# KiCad board brownbox.kicad_pcb (continued)
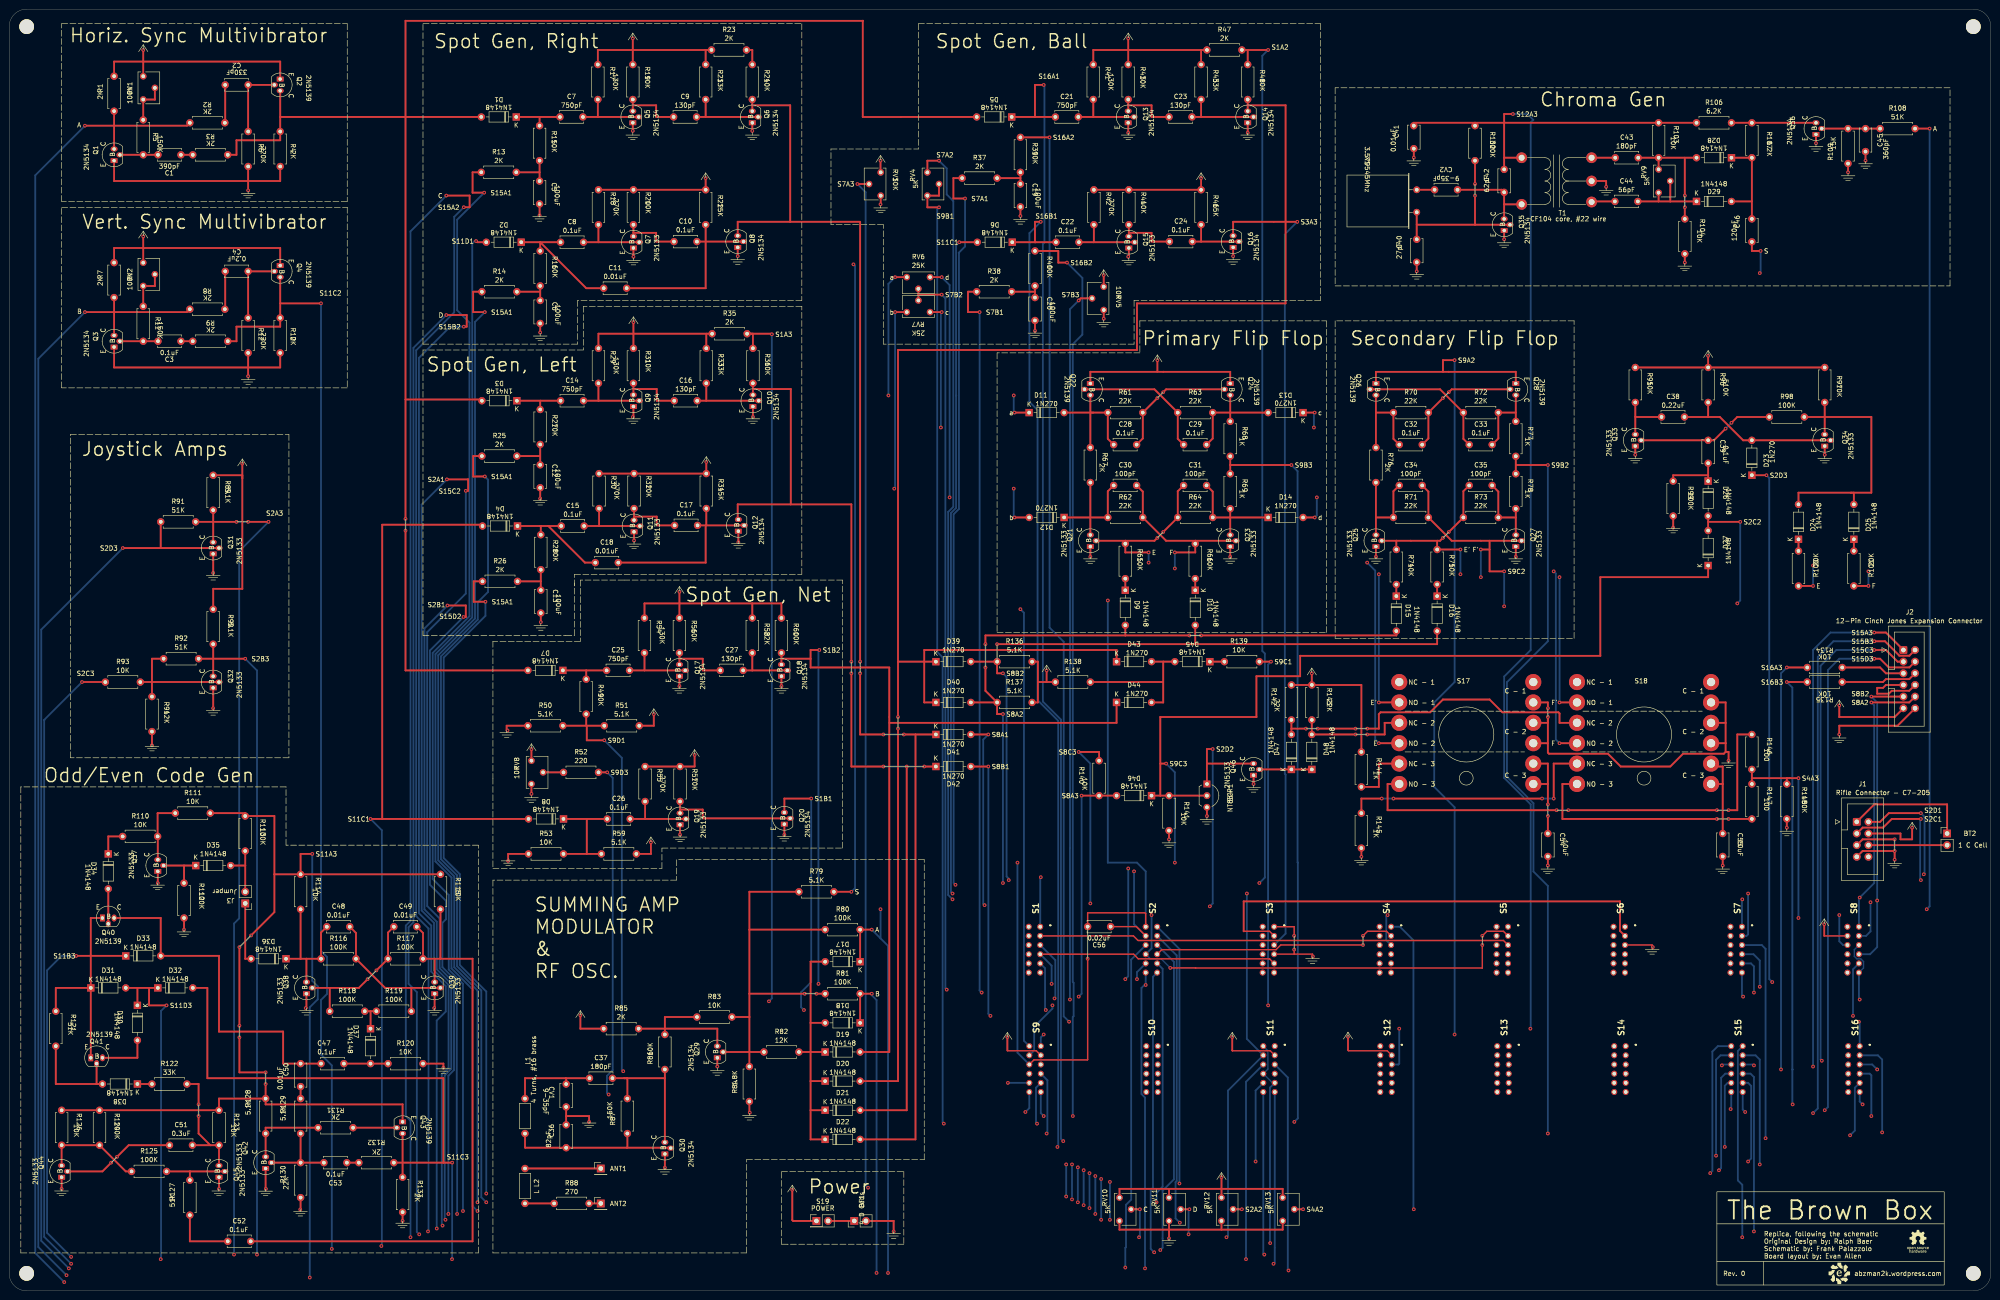
[diagram p0: board, top side]
## Routing (per net, layer and track width the routed paths; a pad name or vN(x,y) marks a point on that pad's centre or on a via; arc(x,y) is an arc through that point) (continued)
S2A2: length 76.6
  Top w0.4: 266.7,17.78 v1(268.61,17.78)
  In2.Cu w0.4: v1(255,23.4) 255.93,22.47 265.21,22.47 268.61,19.08 v1(268.61,17.78)
  Bottom w0.4: S2.A2 255,74.52 v1(255,23.4)
S2A3: length 457.9
  Top w0.4: R91.2 44.45,167.64 ; 44.45,167.64 R89.2 ; 44.45,167.64 Q31.3 ; 44.45,167.64 v1(49.53,167.64) ; v1(52.07,167.64) v1(56.52,167.64)
  In2.Cu w0.4: v1(250.82,8.89) 250.51,9.2 249.17,9.2 249.07,9.1 99.5,9.1 99.5,9.1 98.15,9.1 95.2,9.1 94.2,8.1 55,8.1 54.4,8.7 53.3,8.7 52.5,7.9 v1(49,7.9)
  Bottom w0.4: v1(56.52,167.64) 50.12,161.24 50.12,81.19 49,80.07 v1(49,7.9) ; v1(49.53,167.64) v1(52.07,167.64) ; v1(250.82,8.89) 251.33,9.4 251.33,21.84 253.8,24.31 253.8,71.72 S2.A3
S2B3: length 406.1
  Top w0.4: 44.45,137.79 R90.2 ; 44.45,137.79 v1(51.44,137.79) ; 44.45,137.79 Q32.3 ; 44.45,137.79 R92.2
  In2.Cu w0.4: v1(54,7.9) 54.4,7.5 94.7,7.5 95.7,8.5 98.88,8.5 242.5,8.4 249.5,8.4 v1(249.5,8.4)
  Bottom w0.4: v1(54,7.9) 54,135.23 v1(51.44,137.79) ; v1(249.5,8.4) 249.48,8.4 248.74,9.14 248.74,21.98 249.23,22.47 249.23,68.46 S2.B3
S2C1: length 225.7
  Top w0.3: S2.C1 245.62,79.4 C56.2
  Top w0.4: v1(416.56,102.87) 410.21,102.87 408.32,100.98 403.88,100.98 J1.C
  In2.Cu w0.4: v1(416.56,89.53) 416.4,89.7 377.36,89.7 376.06,88.41 274.81,88.41 271.78,91.44 v1(245.11,91.44)
  Bottom w0.4: v1(245.11,91.44) 245.11,79.91 S2.C1 ; v1(416.56,102.87) 416.4,102.7 416.4,89.7 v1(416.56,89.53)
S2C2: length 589.2
  Top w0.3: S2.C2 247.65,82.25 247.5,82.4 235,82.4 C56.1 ; S9.C3 223.29,50.34 234.94,50.34 235,50.4 v1(235,72.4)
  Top w0.4: 250.82,107.95 250.82,114.93 ; 250.82,107.95 D46.1 ; 250.82,107.95 R141.1 SCR1.2 ; 250.82,114.93 v1(252.1,114.93) ; 250.82,114.93 250.82,125.09 271.78,125.09 271.78,133.98 281.31,133.98 281.31,138.43 346.71,138.43 346.71,155.57 370.2,155.57 D27.1 ; 370.2,167.64 D27.2 ; 370.2,167.64 v1(377.19,167.64) ; 370.2,167.64 D26.2
  In2.Cu w0.4: v1(376.56,149.86) 376.39,150.02 239.87,150.02 v1(239.4,150.49) ; v1(254,93.34) v1(219.71,93.34)
  Bottom w0.3: C56.1 v1(235,72.4)
  Bottom w0.4: S9.C3 219.71,51.92 v1(219.71,93.34) ; v1(377.19,167.64) 377.19,150.49 v1(376.56,149.86) ; S2.C2 247.65,91.44 245.75,93.34 239.4,93.34 v1(239.4,150.49) ; v1(252.1,114.93) 254,113.03 v1(254,93.34)
S2C3: length 440
  Top w0.4: R93.1 v1(15.88,132.71)
  In2.Cu w0.4: v1(13.5,5.9) 13.9,5.5 239.82,5.5 240.24,5.08 v1(243.2,5.08)
  Bottom w0.4: v1(243.2,5.08) 243.2,9.38 243.36,9.52 243.36,18.75 244.48,19.88 244.48,72.2 S2.C3 ; v1(15.88,132.71) 7.62,124.46 7.66,124.42 7.62,124.39 7.62,11.78 v1(13.5,5.9)
S2D1: length 232.6
  Top w0.4: v1(416.56,104.14) 409.57,104.14 407.67,102.23 J1.B
  In2.Cu w0.4: v1(245.75,67.94) v1(243.2,67.94) ; v1(243.84,92.07) 244,92.24 271.83,92.24 275.06,89.01 375.4,89.01 377.19,90.8 v1(417.19,90.8)
  Bottom w0.4: v1(243.2,67.94) 243.84,68.58 v1(243.84,92.07) ; v1(416.56,104.14) 417.36,103.34 417.36,90.97 v1(417.19,90.8) ; v1(245.75,67.94) 245.75,69.47 S2.D1
S2D2: length 164.2
  Top w0.3: v1(321,77.4) 321.98,78.38 325.6,78.38 S5.A1 ; v1(253,70.4) 258.5,70.4 258.53,70.38 320.98,70.38 321,70.4 v1(321,75.4)
  Top w0.4: Q46.3 260.99,114.93 ; 260.99,114.93 SCR1.1 ; 260.99,114.93 260.99,118.11 v1(262.25,118.11)
  In2.Cu w0.4: v1(261.62,83.82) 261.34,83.54 250.55,83.54 v1(248.92,81.91)
  Bottom w0.3: v1(321,77.4) v1(321,75.4) ; v1(253,70.4) 251.03,72.38 248.65,72.38 S2.D2
  Bottom w0.4: v1(261.62,83.82) 262.25,84.45 v1(262.25,118.11) ; v1(248.92,81.91) 248.92,74.64 S2.D2
S2D3: length 744.7
  Top w0.4: D23.1 v1(382.91,177.8) ; Q31.2 33.02,161.92 ; 33.02,161.92 v1(24.77,161.92) ; 33.02,161.92 R91.1
  In2.Cu w0.4: v1(13,4.9) 239.4,4.9 240.01,4.28 246.88,4.28 v1(247.5,4.9) ; v1(384.18,67.31) 248.29,67.31 v1(247.65,66.67)
  Bottom w0.4: S2.D3 247.65,66.96 246.73,66.04 246.73,42.91 247.5,42.14 v1(247.5,4.9) ; v1(24.77,161.92) 6.98,144.14 6.98,10.91 v1(13,4.9) ; v1(382.91,177.8) 383.52,177.18 383.52,67.96 v1(384.18,67.31)
S3A3: length 559.8
  Top w0.4: v1(193.68,122.55) 193.68,45.72 D20.2 ; 269.88,258.44 R48.2 ; 269.88,258.44 278.13,258.44 278.13,233.04 ; 269.88,258.44 Q14.3 ; 199.39,137.16 199.39,139.7 241.3,139.7 D43.1 ; 199.39,137.16 193.68,137.16 ; 199.39,137.16 199.39,128.27 D40.1 ; 199.39,137.16 D39.1 ; 278.13,233.04 266.7,233.04 Q16.3 ; 278.13,233.04 278.13,215.26 245.75,215.26 245.75,205.1 193.68,205.1 193.68,137.16 ; 278.13,233.04 v1(280.67,233.04) ; 193.68,137.16 v1(193.68,125.09)
  Bottom w0.4: v1(193.68,125.09) v1(193.68,122.55) ; S3.A3 278.13,77.87 278.13,112.53 277.97,112.7 277.97,230.34 v1(280.67,233.04)
S4A2: length 90.6
  Top w0.4: RV13.2 v1(281.94,17.78)
  In2.Cu w0.4: v1(306.07,17.78) v1(281.94,17.78)
  Bottom w0.4: 306,17.9 306,76.4 303.03,79.37 S4.A2
S4A3: length 142.6
  Top w0.4: 387.99,111.76 379.73,111.76 ; 387.99,111.76 387.35,111.76 R148.1 ; 387.99,111.76 v1(389.89,111.76) ; 379.73,111.76 R146.2 ; 379.73,111.76 R147.1
  In2.Cu w0.4: v1(389.89,81.28) 389.25,81.91 v1(300.36,81.91)
  Bottom w0.4: S4.A3 300.07,76.42 300.07,81.63 v1(300.36,81.91) ; v1(389.89,111.76) v1(389.89,81.28)
S7A1: length 343.6
  Top w0.4: R37.1 205.74,242.57 205.74,238.12 v1(208.28,238.12)
  In2.Cu w0.4: v1(378.91,86.61) 271.6,86.61 270.33,87.88 206.83,87.88 v1(206.19,88.51)
  Bottom w0.4: v1(206.19,88.51) 205.8,88.91 205.8,169.3 206.96,170.46 206.96,226.2 206.92,226.24 206.96,226.27 206.92,226.31 208.28,227.67 v1(208.28,238.12) ; S7.A1 378.57,77.38 378.91,77.72 v1(378.91,86.61)
S7A2: length 347.4
  Top w0.4: v1(202.61,246.36) 200.07,246.36 RV4.1
  In2.Cu w0.4: v1(377.64,85.34) 269.83,85.34 268.49,86.68 224.44,86.68 223.1,85.34 v1(205.56,85.34)
  Bottom w0.4: v1(377.64,85.34) 377.57,85.27 S7.A2 ; v1(205.56,85.34) 204.6,86.3 204.6,169.79 205.72,170.92 205.72,237.58 204.29,239.01 204.29,244.69 v1(202.61,246.36)
S7A3: length 476.2
  Top w0.4: RV3.2 v1(184.83,241.28)
  In2.Cu w0.4: v1(382.72,33.27) 372.54,33.27 370.06,30.79 233.56,30.79 v1(230.32,27.56) ; v1(230.32,20.57) 228.6,18.84 197.56,18.84 194.51,21.9 187.72,21.9 v1(187.14,22.47)
  Bottom w0.4: S7.A3 381.89,75.38 382.72,74.54 v1(382.72,33.27) ; v1(187.14,22.47) 186.62,23 186.62,239.49 v1(184.83,241.28) ; v1(230.32,20.57) v1(230.32,27.56)
S7B1: length 334.7
  Top w0.4: v1(211.45,213.36) 208.92,213.36 208.92,217.8 R38.1
  In2.Cu w0.4: v1(380.18,65.02) 379.67,65.53 376.69,65.53 376.17,65.02 v1(211.91,65.02)
  Bottom w0.4: v1(211.45,213.36) 211.45,65.47 v1(211.91,65.02) ; v1(380.18,65.02) 380.18,70.73 379.54,71.38 S7.B1
S7B2: length 347.4
  Top w0.4: 198.12,217.17 v1(203.2,217.17) ; 198.12,217.17 RV7.2 ; 198.12,217.17 198.12,218.44
  In2.Cu w0.4: v1(381.45,66.29) 376.56,66.29 376.39,66.12 248.37,66.12 248.12,65.88 247.01,65.88 246.76,66.12 204.76,66.12 v1(204.29,65.65)
  Bottom w0.4: v1(204.29,65.65) 204,65.94 204,216.37 v1(203.2,217.17) ; S7.B2 380.08,73.38 381.45,72 v1(381.45,66.29)
S7B3: length 309.1
  Top w0.4: v1(233.05,215.9) 233.5,216.36 RV5.2
  In2.Cu w0.4: v1(377.82,64.13) 377.19,63.5 274.32,63.5 273.65,62.83 231.81,62.83 v1(231.14,63.5)
  Bottom w0.4: v1(233.05,215.9) 231.16,214.01 231.16,96.54 231.14,96.52 v1(231.14,63.5) ; v1(377.82,64.13) 377.57,64.39 S7.B3
S8A1: length 245.5
  Top w0.4: D41.2 v1(213.36,121.28)
  In2.Cu w0.4: v1(212.54,84.07) 213.21,84.74 213.25,84.7 213.28,84.74 223.35,84.74 224.69,86.08 268.24,86.08 269.58,84.74 375.7,84.74 375.9,84.54 405.42,84.54 v1(405.58,84.7)
  Bottom w0.4: S8.A1 404.6,77.38 405.58,78.35 v1(405.58,84.7) ; v1(212.54,84.07) 212.24,84.37 212.24,120.16 v1(213.36,121.28)
S8A2: length 403.7
  Top w0.4: 243.2,142.87 v1(257.18,142.87) ; 243.2,142.87 D9.2 ; 243.2,142.87 212.73,142.87 v1(212.73,140.97) ; v1(212.73,135.89) 212.73,130.81 R137.1 ; J2.K 414.02,128.27 v1(405.76,128.27) ; R137.1 215.26,125.73 v1(216.54,125.73) ; R137.1 D40.2 ; v1(259.72,142.87) 302.26,142.87 D15.2
  In2.Cu w0.4: v1(403.23,85.72) 381,85.72 379.1,87.63 378.46,87.63 378.04,87.21 271.85,87.21 270.58,88.48 216.95,88.48 v1(216.54,88.9)
  Bottom w0.4: v1(216.54,125.73) v1(216.54,88.9) ; v1(405.76,128.27) 406.38,127.65 406.38,88.88 v1(403.23,85.72) 403.06,85.56 S8.A2 ; v1(257.18,142.87) v1(259.72,142.87) ; v1(212.73,135.89) v1(212.73,140.97)
S8A3: length 236.9
  Top w0.4: D46.2 R140.2 v1(233.68,107.95)
  In2.Cu w0.4: v1(233.05,64.13) 376.56,64.13 377.36,64.94 378.3,64.94 379.73,63.5 v1(403.23,63.5)
  Bottom w0.3: S8.B3 404.06,70.38 404.06,71.79 403.47,72.38 402.61,72.38 402.06,72.92 402.06,74.38 S8.A3
  Bottom w0.4: S8.B3 403.06,63.67 v1(403.23,63.5) ; v1(233.05,64.13) 233.68,64.77 v1(233.68,107.95)
S8B1: length 258.3
  Top w0.4: D42.2 v1(213.36,114.3)
  In2.Cu w0.4: v1(213.81,59.94) v1(401.77,59.94)
  Bottom w0.4: v1(213.81,59.94) 213.36,60.39 v1(213.36,114.3) ; v1(401.77,59.94) 401.77,70.09 S8.B1
S8B2: length 420.1
  Top w0.4: J2.J v1(405.76,129.54) ; v1(216.54,134.62) 215.26,134.62 R136.1 D39.2 ; 258.44,140.97 D10.2 ; 258.44,140.97 311.15,140.97 D16.2 ; 258.44,140.97 v1(215.26,140.97)
  In2.Cu w0.4: v1(217.81,89.53) 218.26,89.08 270.82,89.08 272.09,87.81 377.01,87.81 377.63,88.43 379.56,88.43 381.47,86.52 405.6,86.52 v1(407.04,85.09)
  Bottom w0.4: S8.B2 405.48,73.38 407.04,74.93 v1(407.04,85.09) 407.04,128.27 v1(405.76,129.54) ; v1(216.54,134.62) 217.34,133.82 217.34,90.33 217.81,89.86 v1(217.81,89.53) ; R136.1 v1(215.26,140.97)
S8C3: length 212.9
  Top w0.4: R140.1 237.49,117.47 v1(233.05,117.47)
  In2.Cu w0.4: v1(398.78,81.91) 397.51,83.18 373.1,83.18 372.75,83.54 263.81,83.54 262.47,84.88 236.01,84.88 v1(235.59,84.45)
  Bottom w0.4: v1(235.59,84.45) 235.59,114.93 v1(233.05,117.47) ; S8.C3 399.61,75.38 398.78,76.2 v1(398.78,81.91)
S9A2: length 283.9
  Top w0.4: Q26.1 297.81,200.34 328.3,200.34 Q28.1 ; v1(314.96,202.88) 312.42,202.88 312.42,200.34
  In2.Cu w0.4: v1(314.96,55.88) 314.66,56.19 225.73,56.19 v1(225.43,55.88)
  Bottom w0.4: v1(314.96,202.88) 314.96,132.71 310.51,128.27 310.51,109.85 314.96,105.41 v1(314.96,55.88) ; v1(225.43,55.88) 224.79,55.25 S9.A2
S9B1: length 240.4
  Top w0.4: RV4.2 202.61,238.74 RV4.3 200.07,236.2 v1(202.61,236.2)
  In2.Cu w0.4: v1(223.97,36.44) v1(203.65,36.44)
  Bottom w0.4: S9.B1 223.74,44.29 223.74,36.68 v1(223.97,36.44) ; v1(202.61,236.2) 202.22,235.81 202.22,139.27 203.4,138.09 203.4,36.7 v1(203.65,36.44)
S9B2: length 286.9
  Top w0.4: R77.2 328.3,180.02 ; 328.3,180.02 R78.1 ; 328.3,180.02 v1(335.28,180.02)
  In2.Cu w0.4: v1(335.28,34.29) v1(226.06,34.29)
  Bottom w0.4: S9.B2 226.23,45.9 226.23,34.45 v1(226.06,34.29) ; v1(335.28,180.02) 335.28,141.6 326.36,132.68 326.36,112.08 332.14,106.29 332.14,91.4 335.28,88.26 v1(335.28,34.29)
S9B3: length 221.9
  Top w0.4: 266.06,180.02 R69.1 ; 266.06,180.02 v1(279.4,180.02) ; 266.06,180.02 R68.2
  In2.Cu w0.4: v1(225.43,38.1) 226.69,36.83 v1(280.04,36.83)
  Bottom w0.4: v1(279.4,180.02) 280.74,178.68 280.74,93.4 280.8,93.34 280.8,37.59 v1(280.04,36.83) ; v1(225.43,38.1) 224.79,38.73 S9.B3
S9C1: length 137.7
  Top w0.4: R139.2 v1(274.95,137.16)
  In2.Cu w0.4: v1(274.32,62.23) v1(227.33,62.23)
  Bottom w0.4: v1(227.33,62.23) 227.33,61.53 223.34,57.54 223.34,52.39 S9.C1 ; v1(274.95,137.16) 274.32,136.52 v1(274.32,62.23)
S9D1: length 181.9
  Top w0.4: v1(129.68,120.01) 125.86,120.01 125.86,123.19 ; 125.86,123.19 125.73,123.19 ; 125.86,123.19 R51.1 ; 125.73,123.19 R49.2 ; 125.73,123.19 R50.2
  In2.Cu w0.4: v1(133.8,47.88) 134.76,46.92 216.04,46.92 v1(217.62,45.33)
  Bottom w0.4: v1(129.68,120.01) 133.5,116.19 133.5,48.18 v1(133.8,47.88) ; S9.D1 222.29,45.33 v1(217.62,45.33)
S9D3: length 171.8
  Top w0.4: R52.2 v1(130.31,113.03)
  In2.Cu w0.4: v1(130.63,42.79) 132.35,44.52 215.9,44.52 v1(221.43,38.98)
  Bottom w0.4: v1(221.43,38.98) 222.29,39.84 S9.D3 ; v1(130.31,113.03) 131.51,111.83 131.51,48.12 130.25,46.85 130.25,43.18 v1(130.63,42.79)
S11A3: length 564.8
  Top w0.4: R128.2 55.88,40.64 85.73,40.64 Q43.1 ; R128.2 v1(55.88,45.08) ; R128.2 45.72,41.91 R123.1 R124.1 R126.1 ; R114.1 63.5,95.25 v1(66.04,95.25) ; R114.1 57.78,90.8 ; R114.1 R115.1 ; v1(50.16,57.78) v1(50.16,74.93) ; v1(55.88,47.62) 50.16,47.62 v1(50.16,55.25) ; 57.78,90.8 57.78,103.5 R113.1 51.44,104.14 R111.2 ; 57.78,90.8 57.78,82.55 v1(52.7,77.47)
  In2.Cu w0.4: v1(278.76,4.44) 278,3.68 239.53,3.68 238.91,4.3 193.4,4.3 191.6,2.5 187.6,2.5 187,3.1 65.7,3.1 v1(65.5,2.9)
  Bottom w0.4: v1(65.5,2.9) 65.5,61.81 67.25,63.56 67.25,66.36 66.04,67.57 v1(66.04,95.25) ; v1(278.76,4.44) 278.62,4.59 278.62,46.5 S11.A3 ; v1(50.16,74.93) v1(52.7,77.47) ; v1(55.88,45.08) v1(55.88,47.62) ; v1(50.16,55.25) v1(50.16,57.78)
S11B3: length 429
  Top w0.4: R121.1 10.16,66.04 D31.1 ; D31.1 17.78,81.28 Q40.1 ; D31.1 Q41.1 ; D33.1 v1(14.61,73.02)
  In2.Cu w0.4: v1(13.5,7.4) 14.8,6.1 248.09,6.1 248.29,5.9 v1(275.5,5.9)
  Bottom w0.4: v1(13.5,7.4) 8.25,12.64 8.25,69.85 11.43,73.02 v1(14.61,73.02) ; v1(275.5,5.9) 275.77,6.17 S11.B3
S11C1: length 690.9
  Top w0.4: D4.2 102.87,167 81.28,167 81.28,102.87 ; 81.28,102.87 D8.2 ; 81.28,102.87 v1(78.74,102.87) ; D6.2 v1(207.01,228.6)
  In2.Cu w0.4: v1(269.69,86.61) 269.02,87.28 224.19,87.28 223.52,86.61 v1(205.56,86.61) ; v1(265.25,11.68) 263.98,10.41 94.43,10.41 93.8,9.77 v1(81.1,9.77)
  Bottom w0.4: v1(81.1,9.77) 81.21,9.89 81.21,100.4 v1(78.74,102.87) ; v1(205.56,86.61) 205.2,86.97 205.2,169.55 206.32,170.67 206.32,195.12 206.36,195.16 206.32,195.19 206.32,227.91 v1(207.01,228.6) ; v1(269.69,86.61) 269.69,54.92 S11.C1 265.58,43.65 265.58,12.01 v1(265.25,11.68)
S11C2: length 493.4
  Top w0.4: R9.1 49.53,207.01 49.53,210.19 59.05,210.19 R10.1 59.05,215.26 ; Q4.3 59.05,215.26 ; 59.05,215.26 v1(67.95,215.26)
  In2.Cu w0.4: v1(70.3,9.14) 70.74,8.7 93.8,8.7 94.87,9.77 107.13,9.77 107.21,9.7 248.82,9.7 248.92,9.8 274.16,9.8 v1(274.77,10.41)
  Bottom w0.3: S11.C2 274.27,52.34 274.27,48.34 S11.D2 275.27,45.34 S11.B1
  Bottom w0.4: v1(274.77,10.41) 274.72,10.46 274.72,44.29 S11.B1 ; v1(67.95,215.26) 67.95,74.09 69.25,72.78 69.25,64.71 67.95,63.41 67.95,51.5 70.3,49.14 v1(70.3,9.14)
S11C3: length 353
  Top w0.4: 85.73,27.94 Q43.3 ; 85.73,27.94 R133.1 ; 85.73,27.94 R132.1 ; 85.73,27.94 94.61,27.94 ; D32.2 43.18,66.04 43.18,46.35 94.61,46.35 94.61,27.94 ; 94.61,27.94 v1(96.52,27.94)
  In2.Cu w0.4: v1(96.5,6.9) v1(269.5,6.9)
  Bottom w0.4: v1(269.5,6.9) 269.5,45.57 S11.C3 ; v1(96.5,6.9) 96.52,6.92 v1(96.52,27.94)
S11D1: length 421
  Top w0.4: v1(101.73,228.85) 101.98,228.6 D2.2
  In2.Cu w0.4: v1(271.6,28.19) 271.09,27.69 237.44,27.69 v1(235.4,25.65) ; v1(102.05,17.39) 102.9,16.55 170.27,16.55 173.22,19.5 193.51,19.5 196.57,16.44 233.82,16.44 v1(235.4,18.03)
  Bottom w0.4: v1(235.4,18.03) v1(235.4,25.65) ; v1(271.6,28.19) 271.6,43.67 S11.D1 ; v1(102.05,17.39) 100.96,18.48 100.96,65.7 96.38,70.28 96.38,90.1 92.88,93.6 92.88,138.8 100.9,146.82 100.9,228.33 101.42,228.85 v1(101.73,228.85)
S11D3: length 350.9
  Top w0.4: 27.94,66.04 30.48,66.04 ; 27.94,66.04 25.4,66.04 ; 27.94,66.04 D30.1 ; 30.48,66.04 D32.1 ; 30.48,66.04 30.48,62.23 v1(34.29,62.23)
  In2.Cu w0.4: 33,6.9 95,6.9 95.8,7.7 97.4,7.7 97.6,7.5 268.5,7.5 268.7,7.7 273.3,7.7 v1(273.5,7.9)
  Bottom w0.4: S11.D3 273.27,8.13 v1(273.5,7.9) ; v1(34.29,62.23) 33.09,61.03 33.09,6.99 33.02,6.92 v1(33.02,6.9)
S12A3: length 326.7
  Top w0.4: 325.75,254.63 319.41,254.63 ; 325.75,254.63 325.75,247.01 ; 325.75,254.63 325.75,256.54 v1(327.66,256.54) ; 325.75,254.63 R103.1 R106.1 ; 319.41,254.63 R102.1 ; 319.41,254.63 306.07,254.63 C41.2 ; 325.75,247.01 C42.2 ; 325.75,247.01 T1.1
  In2.Cu w0.4: v1(331.47,57.15) v1(302.9,57.15)
  Bottom w0.4: v1(331.47,57.15) 331.54,57.22 331.54,106.04 325.75,111.83 325.75,133.91 331.54,139.7 331.54,254.7 332.11,255.27 330.84,256.54 v1(327.66,256.54) ; S12.A3 302.7,49.34 302.9,49.53 v1(302.9,57.15)
S15A1: length 562.8
  Top w0.4: v1(103.51,239.39) 100.96,239.39 100.96,243.84 R13.1
  In2.Cu w0.4: v1(98.88,17.39) 100.32,15.95 170.52,15.95 173.47,18.9 193.26,18.9 196.32,15.84 234.13,15.84 235.05,16.76 v1(236.67,16.76) ; v1(381.45,27.56) 380.98,27.08 238.74,27.08 v1(236.67,25.01)
  Bottom w0.4: S15.A1 380.53,51.34 381.45,50.41 v1(381.45,27.56) ; v1(236.67,16.76) v1(236.67,25.01) ; v1(98.88,17.39) 98.88,66.94 95.78,70.04 95.78,86.29 92.28,89.78 92.28,139.05 100.3,147.07 100.3,211.07 97.61,213.76 97.61,233.5 v1(103.51,239.39)
S15A3: length 129.2
  Top w0.4: v1(406.4,143.51) 408.94,143.51 J2.A
  In2.Cu w0.4: v1(380.18,49.14) 392.81,49.14 v1(393.06,48.89)
  Bottom w0.4: v1(406.4,143.51) 396.88,143.51 393.06,139.7 v1(393.06,48.89) ; v1(380.18,49.14) 379.99,49.34 S15.A3
S15B1: length 519.6
  Top w0.4: R14.1 101.1,217.8 101.1,213.36 v1(103.64,213.36)
  In2.Cu w0.4: v1(102.05,19.3) 104.2,17.15 170.02,17.15 172.97,20.1 193.76,20.1 196.82,17.04 232.51,17.04 v1(234.13,18.66) ; v1(378.91,28.19) 371.61,28.19 370.81,28.99 236.84,28.99 v1(234.13,26.28)
  Bottom w0.4: v1(234.13,18.66) v1(234.13,26.28) ; v1(102.05,19.3) 102.05,65.46 96.98,70.53 96.98,90.35 93.48,93.85 93.48,138.55 101.5,146.57 101.5,211.22 v1(103.64,213.36) ; S15.B1 378.91,45.34 379.58,44.66 379.58,28.86 v1(378.91,28.19)
S15B3: length 143.8
  Top w0.4: v1(406.4,141.6) 408.73,141.6 411.88,138.45 414.04,138.45 J2.B
  In2.Cu w0.4: v1(393.06,38.73) 392.81,38.98 v1(378.28,38.98)
  Bottom w0.4: v1(378.28,38.98) 377.73,39.53 S15.B3 ; v1(406.4,141.6) 397.51,141.6 394.1,138.19 394.1,39.77 v1(393.06,38.73)
S15C1: length 481.8
  Top w0.4: R25.1 101.1,181.97 101.1,177.53 v1(103.64,177.53)
  In2.Cu w0.4: v1(371.93,29.46) 371.8,29.59 235.53,29.59 v1(232.86,26.92) ; v1(103.96,19.3) 104.98,20.32 131.51,20.32 134.08,17.75 169.36,17.75 172.31,20.7 194.01,20.7 197.06,17.64 231.21,17.64 v1(232.86,19.3)
  Bottom w0.4: S15.C1 372.91,51.34 371.93,50.36 v1(371.93,29.46) ; v1(103.96,19.3) 102.87,20.39 102.87,65.49 97.58,70.78 97.58,90.6 94.08,94.1 94.08,138.31 102.1,146.32 102.1,150.11 104.34,152.35 104.34,176.83 v1(103.64,177.53) ; v1(232.86,19.3) v1(232.86,26.92)
S15C2: length 887.4
  Top w0.4: v1(95.39,176.89) 99.99,176.89 100,176.89 100,174.4 v1(99.5,174.4)
  In2.Cu w0.4: v1(239.85,15.49) 239,14.64 195.82,14.64 192.77,17.7 173.97,17.7 171.02,14.75 97.71,14.75 v1(95.7,16.76) ; v1(239.85,23.75) 241.75,25.65 v1(370.66,25.65) ; v1(255.09,14.85) 253.58,16.36 246.22,16.36 243.3,13.44 195.26,13.44 193.77,14.93 191.7,14.93 190.32,13.55 95.1,13.55 v1(94.43,14.22)
  Bottom w0.4: v1(255.09,14.85) 254.15,15.79 254.15,23.68 254.4,23.93 254.4,73.12 S2.A1 ; v1(370.66,25.65) 371.13,26.12 371.13,52.15 372.31,53.34 S15.C2 ; v1(239.85,15.49) v1(239.85,23.75) ; v1(95.39,176.89) 89.88,171.39 89.88,82.9 92.57,80.22 92.57,69.83 95.73,66.67 95.73,48.63 94.27,47.17 94.27,14.38 v1(94.43,14.22) ; v1(99.5,174.4) 99.5,152 91.08,143.58 91.08,83.89 93.8,81.18 93.8,70.32 96.93,67.19 96.93,48.13 95.7,46.9 v1(95.7,16.76)
S15C3: length 131.2
  Top w0.4: v1(406.4,139.7) 408.94,139.7 411.48,137.16 J2.C
  In2.Cu w0.3: 379.73,50.16 379.56,50.34 374.39,50.34 v1(373.2,49.14)
  In2.Cu w0.4: v1(394.97,50.16) 379.73,50.16
  Bottom w0.4: v1(394.97,50.16) 394.7,50.44 394.7,136.25 398.15,139.7 v1(406.4,139.7) ; S15.C3 373.39,49.34 v1(373.2,49.14)
S15D1: length 444
  Top w0.4: v1(103.77,150.22) 101.23,150.22 101.23,154.67 R26.1
  In2.Cu w0.4: v1(373.83,31.37) 372.73,30.26 371.6,30.26 371.53,30.19 234.23,30.19 v1(231.59,27.56) ; v1(231.59,19.94) 229.9,18.25 197.31,18.25 194.26,21.3 172.06,21.3 169.11,18.35 134.33,18.35 131.73,20.95 104.21,20.95 v1(103.96,21.2)
  Bottom w0.4: v1(103.96,21.2) 103.96,65.25 98.18,71.03 98.18,90.85 94.68,94.35 94.68,138.06 103.77,147.15 v1(103.77,150.22) ; v1(373.83,31.37) 373.83,44.7 374.47,45.33 375.23,45.33 S15.D1 ; v1(231.59,19.94) v1(231.59,27.56)
S15D2: length 806.5
  Top w0.4: v1(99,146.9) 99.5,146.9 99.5,149.4 v1(95.5,149.4)
  In2.Cu w0.4: v1(97.61,16.76) 99.02,15.35 170.77,15.35 173.72,18.3 193.01,18.3 196.07,15.25 235.01,15.25 235.26,15.49 v1(237.94,15.49) ; v1(372.56,26.28) 372.4,26.45 285.1,26.45 284.93,26.28 239.85,26.28 v1(237.94,24.38) ; v1(250.01,19.3) 247.67,16.96 245.97,16.96 243.06,14.04 195.57,14.04 192.52,17.1 174.22,17.1 171.27,14.15 96.41,14.15 v1(95.07,15.49)
  Bottom w0.4: v1(237.94,15.49) v1(237.94,24.38) ; v1(95.07,15.49) 94.9,15.65 94.9,46.95 96.33,48.38 96.33,66.94 93.17,70.1 93.17,80.47 90.48,83.15 90.48,144.38 v1(95.5,149.4) ; S2.B1 251.33,70.19 251.33,22.69 250.01,21.37 v1(250.01,19.3) ; S15.D2 373.93,47.34 373.03,46.44 373.03,26.75 v1(372.56,26.28) ; v1(97.61,16.76) 97.61,29.46 97.53,29.54 97.53,67.44 94.4,70.57 94.4,80.22 95.18,81.01 95.18,85.02 91.68,88.51 91.68,139.58 v1(99,146.9)